# KiCad board qk80.kicad_pcb
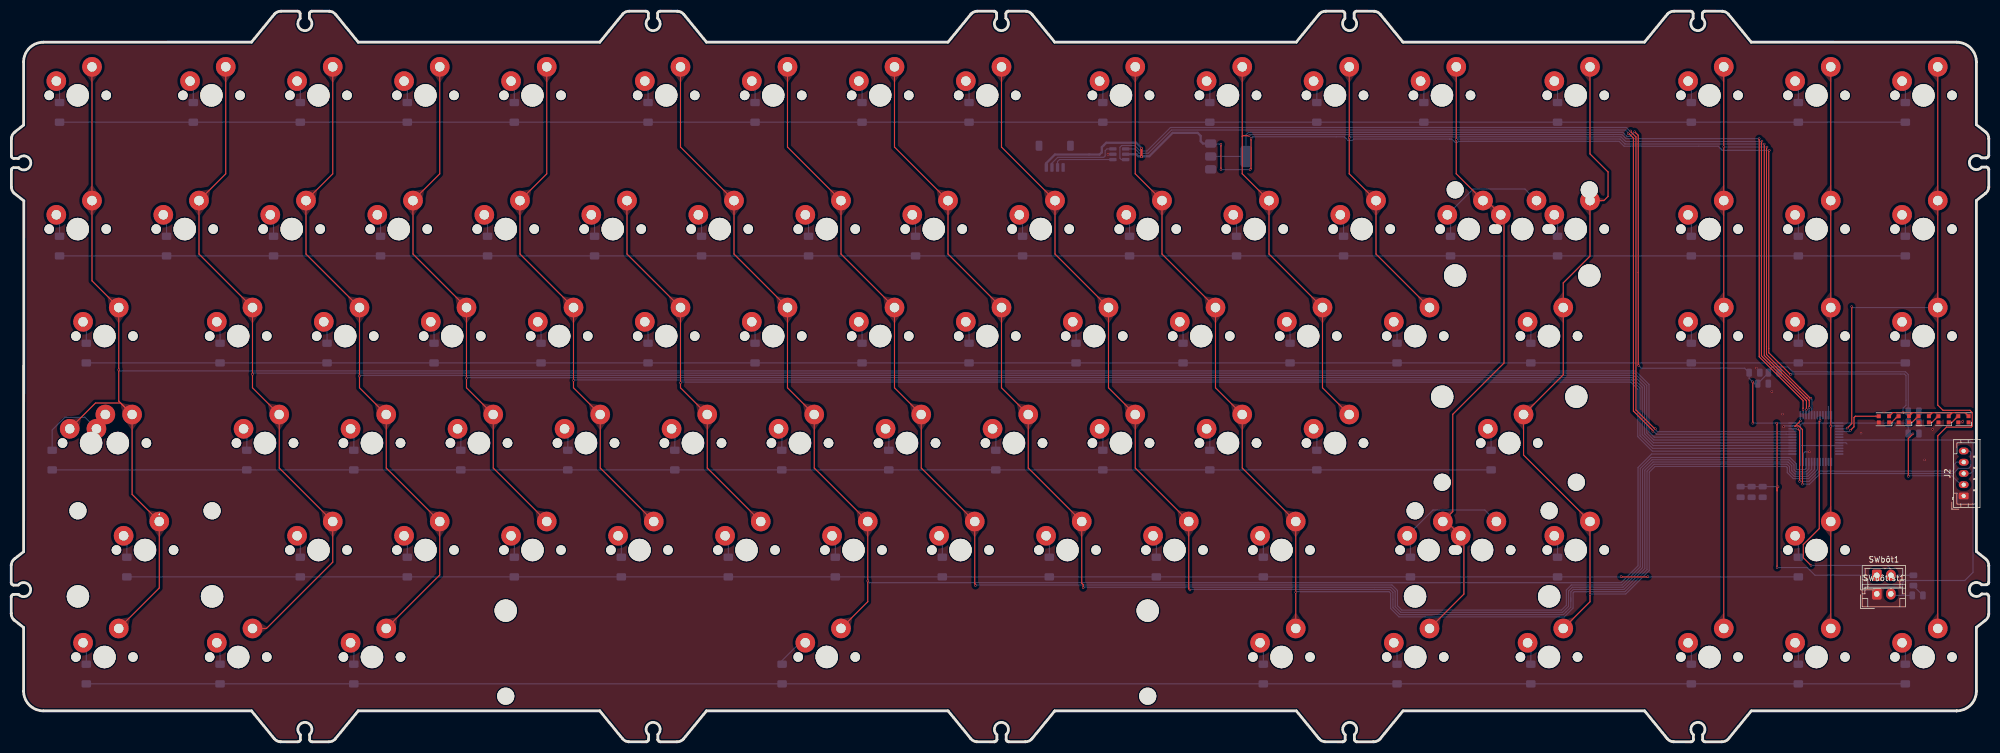
[diagram p0: board, top side]
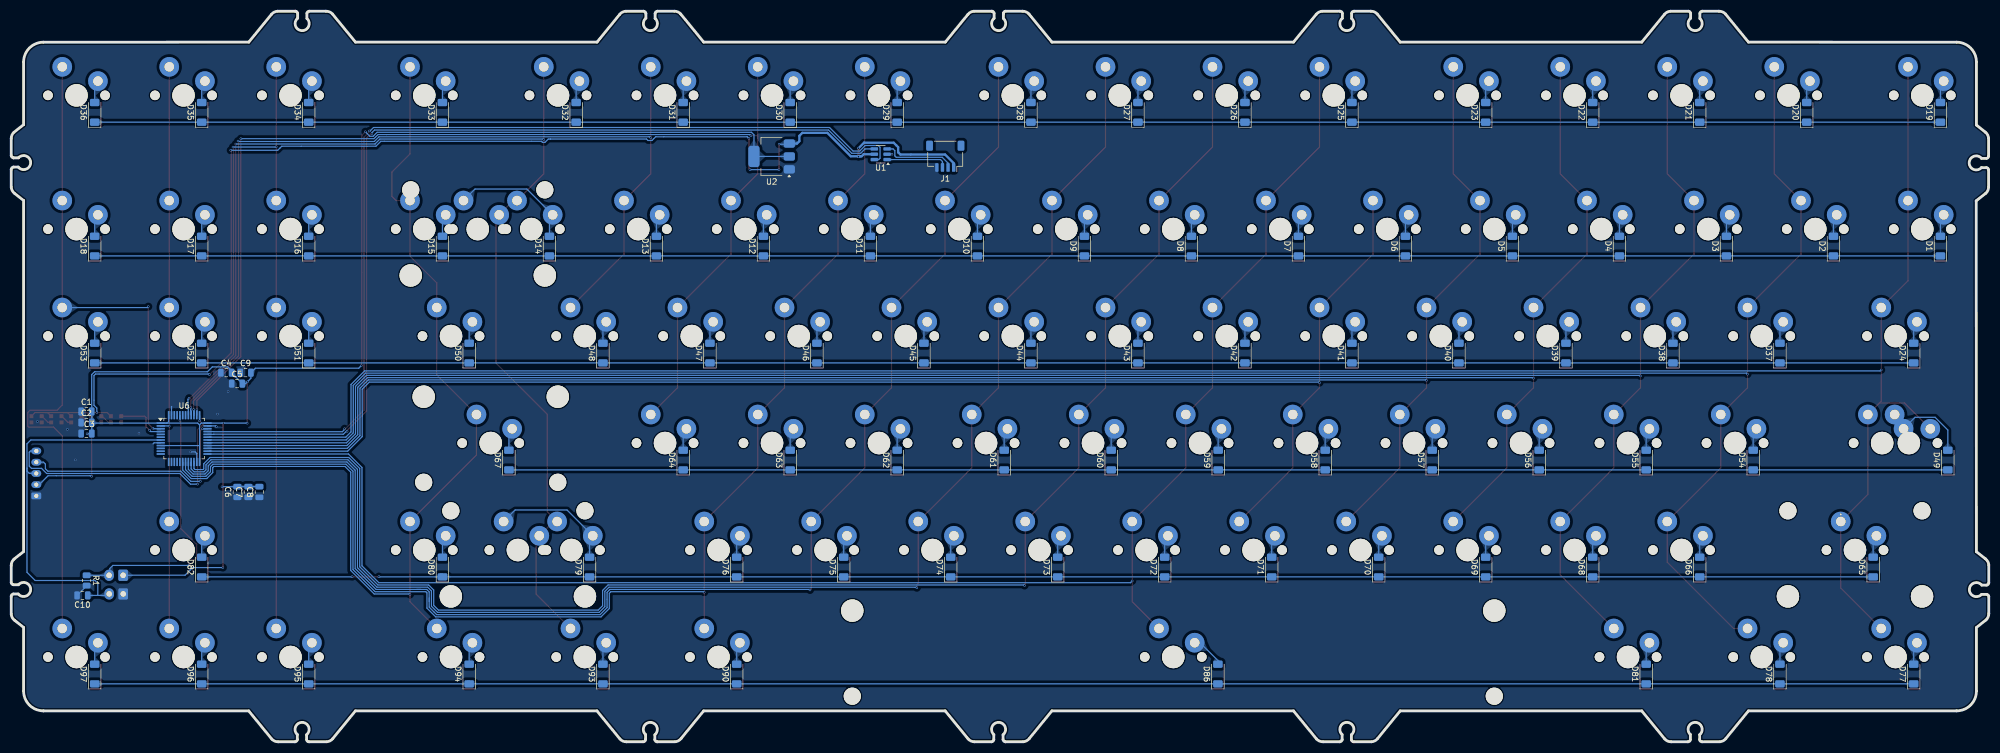
[diagram p1: board, bottom side, seen from below]

Outline 352.07 x 130.08 mm; copper layers: Top, Bottom. Coordinates in mm from the lower left corner of the outline.
Outline path: 0,28.3 0,31.47 arc(0.18,32.1) 0.62,32.59 2.2,33.84 2.24,96.33 0.53,97.68 arc(0.16,98.19) 0.03,98.81 0.03,101.83 arc(0.15,102.11) 0.43,102.23 1.32,102.23 arc(3.49,103.1) 1.28,103.88 0.43,103.88 arc(0.15,104) 0.03,104.28 0.03,107.45 arc(0.21,108.07) 0.62,108.56 2.2,109.83 2.2,121.04 arc(3.24,123.53) 5.73,124.57 42.78,124.58 46.88,129.59 arc(47.4,129.96) 48.02,130.08 51.03,130.08 arc(51.32,129.97) 51.43,129.68 51.43,128.8 arc(52.31,126.63) 53.08,128.84 53.08,129.68 arc(53.2,129.97) 53.49,130.08 56.66,130.08 arc(57.26,129.92) 57.75,129.51 61.78,124.58 104.78,124.58 108.88,129.59 arc(109.4,129.96) 110.02,130.08 113.03,130.08 arc(113.32,129.97) 113.43,129.68 113.43,128.8 arc(114.31,126.63) 115.08,128.84 115.08,129.68 arc(115.2,129.97) 115.49,130.08 118.66,130.08 arc(119.26,129.92) 119.75,129.51 123.78,124.58 166.78,124.58 170.88,129.59 arc(171.4,129.96) 172.02,130.08 175.03,130.08 arc(175.32,129.97) 175.43,129.68 175.43,128.8 arc(176.31,126.63) 177.08,128.84 177.08,129.68 arc(177.2,129.97) 177.48,130.08 180.66,130.08 arc(181.26,129.92) 181.75,129.52 185.78,124.58 228.78,124.58 232.88,129.59 arc(233.4,129.96) 234.02,130.08 237.03,130.08 arc(237.32,129.96) 237.43,129.68 237.43,128.8 arc(238.31,126.63) 239.08,128.84 239.08,129.68 arc(239.2,129.97) 239.49,130.08 242.66,130.08 arc(243.26,129.92) 243.75,129.51 247.78,124.58 290.78,124.58 294.88,129.59 arc(295.4,129.96) 296.02,130.08 299.03,130.08 arc(299.32,129.97) 299.43,129.68 299.43,128.8 arc(300.31,126.63) 301.08,128.84 301.08,129.68 arc(301.2,129.97) 301.48,130.08 304.66,130.08 arc(305.26,129.92) 305.75,129.51 309.78,124.58 346.34,124.57 arc(348.84,123.53) 349.87,121.02 349.87,109.88 351.58,108.53 arc(351.95,108.02) 352.07,107.39 352.07,104.38 arc(351.95,104.1) 351.67,103.98 350.79,103.98 arc(348.62,103.1) 350.82,102.33 351.67,102.33 arc(351.96,102.21) 352.07,101.92 352.07,98.75 arc(351.89,98.12) 351.46,97.63 349.87,96.38 349.87,33.87 351.58,32.52 arc(351.95,32) 352.07,31.38 352.07,28.37 arc(351.95,28.08) 351.67,27.97 350.79,27.97 arc(348.62,27.09) 350.83,26.32 351.67,26.32 arc(351.96,26.2) 352.07,25.91 352.07,22.74 arc(351.89,22.11) 351.46,21.62 349.87,20.37 349.87,9.03 arc(348.83,6.54) 346.34,5.5 309.79,5.5 305.69,0.49 arc(305.18,0.12) 304.55,0 301.54,0 arc(301.26,0.12) 301.14,0.4 301.14,1.28 arc(300.26,3.45) 299.49,1.25 299.49,0.4 arc(299.37,0.12) 299.09,0 295.91,0 arc(295.31,0.17) 294.83,0.57 290.79,5.5 247.79,5.5 243.69,0.49 arc(243.18,0.12) 242.55,0 239.54,0 arc(239.26,0.12) 239.14,0.4 239.14,1.28 arc(238.26,3.45) 237.49,1.25 237.49,0.4 arc(237.37,0.12) 237.09,0 233.91,0 arc(233.31,0.17) 232.82,0.57 228.79,5.5 185.79,5.5 181.69,0.49 arc(181.18,0.12) 180.55,0 177.54,0 arc(177.25,0.12) 177.14,0.41 177.14,1.28 arc(176.26,3.45) 175.49,1.25 175.49,0.4 arc(175.37,0.12) 175.09,0 171.91,0 arc(171.31,0.17) 170.82,0.57 166.79,5.5 123.78,5.5 119.68,0.49 arc(119.16,0.12) 118.54,0 115.53,0 arc(115.24,0.12) 115.13,0.4 115.13,1.28 arc(114.25,3.45) 113.48,1.25 113.48,0.4 arc(113.36,0.11) 113.07,0 109.9,0 arc(109.3,0.17) 108.81,0.57 104.78,5.5 61.78,5.5 57.68,0.49 arc(57.16,0.12) 56.54,0 53.53,0 arc(53.24,0.12) 53.13,0.41 53.13,1.28 arc(52.25,3.45) 51.48,1.25 51.48,0.4 arc(51.36,0.12) 51.07,0 47.9,0 arc(47.29,0.17) 46.81,0.57 42.78,5.5 5.73,5.5 arc(3.24,6.54) 2.2,9.03 2.2,20.34 0.49,21.69 arc(0.12,22.21) 0,22.83 0,25.85 arc(0.12,26.13) 0.4,26.25 1.28,26.25 arc(3.45,27.12) 1.25,27.9 0.4,27.9 arc(0.12,28.01) 0,28.3

## Placement (name value [footprint] x y rotation side)
C1  100nF  [C_0805_2012Metric]  338.69 58.82 180 bottom
C2  4.7uF  [C_0805_2012Metric]  338.69 56.85 180 bottom
C3  100nF  [C_0805_2012Metric]  338.68 54.88 180 bottom
C4  4.7uF  [C_0805_2012Metric]  313.79 65.72 180 bottom
C5  100nF  [C_0805_2012Metric]  311.87 63.77 180 bottom
C6  4.7uF  [C_0805_2012Metric]  311.82 44.48 90 bottom
C7  100nF  [C_0805_2012Metric]  309.85 44.48 90 bottom
C8  4.7uF  [C_0805_2012Metric]  307.89 44.48 90 bottom
C9  4.7uF  [C_0805_2012Metric]  310.36 65.72 180 bottom
C10  4.7uF  [C_0805_2012Metric]  339.4 26.06 0 bottom
D1  D_Small  [D_MiniMELF]  8.6 88.26 90 bottom
D2  D_Small  [D_MiniMELF]  27.65 88.26 90 bottom
D3  D_Small  [D_MiniMELF]  46.7 88.26 90 bottom
D4  D_Small  [D_MiniMELF]  65.75 88.26 90 bottom
D5  D_Small  [D_MiniMELF]  84.8 88.26 90 bottom
D6  D_Small  [D_MiniMELF]  103.85 88.26 90 bottom
D7  D_Small  [D_MiniMELF]  122.9 88.26 90 bottom
D8  D_Small  [D_MiniMELF]  141.95 88.26 90 bottom
D9  D_Small  [D_MiniMELF]  161 88.26 90 bottom
D10  D_Small  [D_MiniMELF]  180.05 88.26 90 bottom
D11  D_Small  [D_MiniMELF]  199.1 88.26 90 bottom
D12  D_Small  [D_MiniMELF]  218.15 88.26 90 bottom
D13  D_Small  [D_MiniMELF]  237.2 88.26 90 bottom
D14  D_Small  [D_MiniMELF]  256.25 88.26 90 bottom
D15  D_Small  [D_MiniMELF]  275.3 88.26 90 bottom
D16  D_Small  [D_MiniMELF]  299.11 88.26 90 bottom
D17  D_Small  [D_MiniMELF]  318.16 88.26 90 bottom
D18  D_Small  [D_MiniMELF]  337.21 88.26 90 bottom
D19  D_Small  [D_MiniMELF]  8.6 112.08 90 bottom
D20  D_Small  [D_MiniMELF]  32.41 112.08 90 bottom
D21  D_Small  [D_MiniMELF]  51.46 112.08 90 bottom
D22  D_Small  [D_MiniMELF]  70.51 112.08 90 bottom
D23  D_Small  [D_MiniMELF]  89.56 112.08 90 bottom
D24  D_Small  [D_MiniMELF]  13.36 69.21 90 bottom
D25  D_Small  [D_MiniMELF]  113.38 112.08 90 bottom
D26  D_Small  [D_MiniMELF]  132.43 112.08 90 bottom
D27  D_Small  [D_MiniMELF]  151.48 112.08 90 bottom
D28  D_Small  [D_MiniMELF]  170.53 112.08 90 bottom
D29  D_Small  [D_MiniMELF]  194.34 112.08 90 bottom
D30  D_Small  [D_MiniMELF]  213.39 112.08 90 bottom
D31  D_Small  [D_MiniMELF]  232.44 112.08 90 bottom
D32  D_Small  [D_MiniMELF]  251.49 112.08 90 bottom
D33  D_Small  [D_MiniMELF]  275.3 112.08 90 bottom
D34  D_Small  [D_MiniMELF]  299.11 112.08 90 bottom
D35  D_Small  [D_MiniMELF]  318.16 112.08 90 bottom
D36  D_Small  [D_MiniMELF]  337.21 112.08 90 bottom
D37  D_Small  [D_MiniMELF]  37.18 69.21 90 bottom
D38  D_Small  [D_MiniMELF]  56.23 69.21 90 bottom
D39  D_Small  [D_MiniMELF]  75.28 69.21 90 bottom
D40  D_Small  [D_MiniMELF]  94.33 69.21 90 bottom
D41  D_Small  [D_MiniMELF]  113.38 69.21 90 bottom
D42  D_Small  [D_MiniMELF]  132.43 69.21 90 bottom
D43  D_Small  [D_MiniMELF]  151.48 69.21 90 bottom
D44  D_Small  [D_MiniMELF]  170.53 69.21 90 bottom
D45  D_Small  [D_MiniMELF]  189.58 69.21 90 bottom
D46  D_Small  [D_MiniMELF]  208.63 69.21 90 bottom
D47  D_Small  [D_MiniMELF]  227.68 69.21 90 bottom
D48  D_Small  [D_MiniMELF]  246.73 69.21 90 bottom
D49  D_Small  [D_MiniMELF]  7.29 50.16 90 bottom
D50  D_Small  [D_MiniMELF]  270.54 69.21 90 bottom
D51  D_Small  [D_MiniMELF]  299.11 69.21 90 bottom
D52  D_Small  [D_MiniMELF]  318.16 69.21 90 bottom
D53  D_Small  [D_MiniMELF]  337.21 69.21 90 bottom
D54  D_Small  [D_MiniMELF]  41.94 50.16 90 bottom
D55  D_Small  [D_MiniMELF]  60.99 50.16 90 bottom
D56  D_Small  [D_MiniMELF]  80.04 50.16 90 bottom
D57  D_Small  [D_MiniMELF]  99.09 50.16 90 bottom
D58  D_Small  [D_MiniMELF]  118.14 50.16 90 bottom
D59  D_Small  [D_MiniMELF]  137.19 50.16 90 bottom
D60  D_Small  [D_MiniMELF]  156.24 50.16 90 bottom
D61  D_Small  [D_MiniMELF]  175.29 50.16 90 bottom
D62  D_Small  [D_MiniMELF]  194.34 50.16 90 bottom
D63  D_Small  [D_MiniMELF]  213.39 50.16 90 bottom
D64  D_Small  [D_MiniMELF]  232.44 50.16 90 bottom
D65  D_Small  [D_MiniMELF]  20.58 31.11 90 bottom
D66  D_Small  [D_MiniMELF]  51.46 31.11 90 bottom
D67  D_Small  [D_MiniMELF]  263.47 50.16 90 bottom
D68  D_Small  [D_MiniMELF]  70.51 31.11 90 bottom
D69  D_Small  [D_MiniMELF]  89.56 31.11 90 bottom
D70  D_Small  [D_MiniMELF]  108.61 31.11 90 bottom
D71  D_Small  [D_MiniMELF]  127.66 31.11 90 bottom
D72  D_Small  [D_MiniMELF]  146.71 31.11 90 bottom
D73  D_Small  [D_MiniMELF]  165.76 31.11 90 bottom
D74  D_Small  [D_MiniMELF]  184.81 31.11 90 bottom
D75  D_Small  [D_MiniMELF]  203.86 31.11 90 bottom
D76  D_Small  [D_MiniMELF]  222.91 31.11 90 bottom
D77  D_Small  [D_MiniMELF]  13.36 12.06 90 bottom
D78  D_Small  [D_MiniMELF]  37.18 12.06 90 bottom
D79  D_Small  [D_MiniMELF]  249.11 31.11 90 bottom
D80  D_Small  [D_MiniMELF]  275.3 31.11 90 bottom
D81  D_Small  [D_MiniMELF]  60.99 12.06 90 bottom
D82  D_Small  [D_MiniMELF]  318.16 31.11 90 bottom
D83  WS2812B-2020  [LED_WS2812B-2020_PLCC4_2.0x2.0mm]  333.41 57.41 180 top
D84  WS2812B-2020  [LED_WS2812B-2020_PLCC4_2.0x2.0mm]  336.95 57.42 180 top
D85  WS2812B-2020  [LED_WS2812B-2020_PLCC4_2.0x2.0mm]  340.49 57.42 180 top
D86  D_Small  [D_MiniMELF]  137.24 12.06 90 bottom
D87  WS2812B-2020  [LED_WS2812B-2020_PLCC4_2.0x2.0mm]  344.03 57.42 180 top
D88  WS2812B-2020  [LED_WS2812B-2020_PLCC4_2.0x2.0mm]  347.57 57.42 180 top
D90  D_Small  [D_MiniMELF]  222.91 12.06 90 bottom
D93  D_Small  [D_MiniMELF]  246.73 12.06 90 bottom
D94  D_Small  [D_MiniMELF]  270.54 12.06 90 bottom
D95  D_Small  [D_MiniMELF]  299.11 12.06 90 bottom
D96  D_Small  [D_MiniMELF]  318.16 12.06 90 bottom
D97  D_Small  [D_MiniMELF]  337.21 12.06 90 bottom
J1  Conn_01x04_Pin  [JST_SH_SM04B-SRSS-TB_1x04-1MP_P1.00mm_Horizontal]  185.78 104.26 0 bottom
J2  Conn_01x05_Socket  [JST_PH_B5B-PH-K_1x05_P2.00mm_Vertical]  347.61 43.78 90 top
R1  R_Small  [R_0805_2012Metric]  338.65 28.73 270 bottom
SW1  SW_Push  [MXOnly-1U_N]  11.84 91.29 0 top
SW2  SW_Push  [MXOnly-1U_N]  30.89 91.29 0 top
SW3  SW_Push  [MXOnly-1U_N]  49.94 91.29 0 top
SW4  SW_Push  [MXOnly-1U_N]  68.99 91.29 0 top
SW5  SW_Push  [MXOnly-1U_N]  88.04 91.29 0 top
SW6  SW_Push  [MXOnly-1U_N]  107.09 91.29 0 top
SW7  SW_Push  [MXOnly-1U_N]  126.14 91.29 0 top
SW8  SW_Push  [MXOnly-1U_N]  145.19 91.29 0 top
SW9  SW_Push  [MXOnly-1U_N]  164.24 91.29 0 top
SW10  SW_Push  [MXOnly-1U_N]  183.29 91.29 0 top
SW11  SW_Push  [MXOnly-1U_N]  202.34 91.29 0 top
SW12  SW_Push  [MXOnly-1U_N]  221.39 91.29 0 top
SW13  SW_Push  [MXOnly-1U_N]  240.44 91.29 0 top
SW14  SW_Push  [MXOnly-1U_N]  259.49 91.29 0 top
SW15  SW_Push  [MXOnly-1U_N]  278.54 91.29 0 top
SW16  SW_Push  [MXOnly-1U_N]  302.35 91.29 0 top
SW17  SW_Push  [MXOnly-1U_N]  321.4 91.29 0 top
SW18  SW_Push  [MXOnly-1U_N]  340.45 91.29 0 top
SW19  SW_Push  [MXOnly-1U_N]  11.84 115.1 0 top
SW20  SW_Push  [MXOnly-1U_N]  35.65 115.1 0 top
SW21  SW_Push  [MXOnly-1U_N]  54.7 115.1 0 top
SW22  SW_Push  [MXOnly-1U_N]  73.75 115.1 0 top
SW23  SW_Push  [MXOnly-1U_N]  92.8 115.1 0 top
SW24  SW_Push  [MXOnly-1.5U_N]  16.6 72.24 0 top
SW25  SW_Push  [MXOnly-1U_N]  116.61 115.1 0 top
SW26  SW_Push  [MXOnly-1U_N]  135.66 115.1 0 top
SW27  SW_Push  [MXOnly-1U_N]  154.71 115.1 0 top
SW28  SW_Push  [MXOnly-1U_N]  173.76 115.1 0 top
SW29  SW_Push  [MXOnly-1U_N]  197.57 115.1 0 top
SW30  SW_Push  [MXOnly-1U_N]  216.62 115.1 0 top
SW31  SW_Push  [MXOnly-1U_N]  235.67 115.1 0 top
SW32  SW_Push  [MXOnly-1U_N]  254.72 115.1 0 top
SW33  SW_Push  [MXOnly-1U_N]  278.54 115.1 0 top
SW34  SW_Push  [MXOnly-1U_N]  302.35 115.1 0 top
SW35  SW_Push  [MXOnly-1U_N]  321.4 115.1 0 top
SW36  SW_Push  [MXOnly-1U_N]  340.45 115.1 0 top
SW37  SW_Push  [MXOnly-1U_N]  40.41 72.24 0 top
SW38  SW_Push  [MXOnly-1U_N]  59.46 72.24 0 top
SW39  SW_Push  [MXOnly-1U_N]  78.51 72.24 0 top
SW40  SW_Push  [MXOnly-1U_N]  97.56 72.24 0 top
SW41  SW_Push  [MXOnly-1U_N]  116.61 72.24 0 top
SW42  SW_Push  [MXOnly-1U_N]  135.66 72.24 0 top
SW43  SW_Push  [MXOnly-1U_N]  154.71 72.24 0 top
SW44  SW_Push  [MXOnly-1U_N]  173.76 72.24 0 top
SW45  SW_Push  [MXOnly-1U_N]  192.81 72.24 0 top
SW46  SW_Push  [MXOnly-1U_N]  211.86 72.24 0 top
SW47  SW_Push  [MXOnly-1U_N]  230.91 72.24 0 top
SW48  SW_Push  [MXOnly-1U_N]  249.96 72.24 0 top
SW49  SW_Push  [MXOnly-1.75U_N]  18.98 53.19 0 top
SW50  SW_Push  [MXOnly-1.5U_N]  273.77 72.24 0 top
SW51  SW_Push  [MXOnly-1U_N]  302.35 72.24 0 top
SW52  SW_Push  [MXOnly-1U_N]  321.4 72.24 0 top
SW53  SW_Push  [MXOnly-1U_N]  340.45 72.24 0 top
SW54  SW_Push  [MXOnly-1U_N]  45.17 53.19 0 top
SW55  SW_Push  [MXOnly-1U_N]  64.22 53.19 0 top
SW56  SW_Push  [MXOnly-1U_N]  83.27 53.19 0 top
SW57  SW_Push  [MXOnly-1U_N]  102.32 53.19 0 top
SW58  SW_Push  [MXOnly-1U_N]  121.37 53.19 0 top
SW59  SW_Push  [MXOnly-1U_N]  140.42 53.19 0 top
SW60  SW_Push  [MXOnly-1U_N]  159.47 53.19 0 top
SW61  SW_Push  [MXOnly-1U_N]  178.52 53.19 0 top
SW62  SW_Push  [MXOnly-1U_N]  197.57 53.19 0 top
SW63  SW_Push  [MXOnly-1U_N]  216.62 53.19 0 top
SW64  SW_Push  [MXOnly-1U_N]  235.67 53.19 0 top
SW65  SW_Push  [MXOnly-2.25U_N]  23.82 34.14 0 top
SW66  SW_Push  [MXOnly-1U_N]  54.7 34.14 0 top
SW67  SW_Push  [MXOnly-2.25U-ReversedStabilizers_N]  266.7 53.19 0 top
SW68  SW_Push  [MXOnly-1U_N]  73.75 34.14 0 top
SW69  SW_Push  [MXOnly-1U_N]  92.8 34.14 0 top
SW70  SW_Push  [MXOnly-1U_N]  111.85 34.14 0 top
SW71  SW_Push  [MXOnly-1U_N]  130.9 34.14 0 top
SW72  SW_Push  [MXOnly-1U_N]  149.95 34.14 0 top
SW73  SW_Push  [MXOnly-1U_N]  169 34.14 0 top
SW74  SW_Push  [MXOnly-1U_N]  188.05 34.14 0 top
SW75  SW_Push  [MXOnly-1U_N]  207.1 34.14 0 top
SW76  SW_Push  [MXOnly-1U_N]  226.15 34.14 0 top
SW77  SW_Push  [MXOnly-1.5U_N]  16.6 15.09 0 top
SW78  SW_Push  [MXOnly-1U_N]  40.41 15.09 0 top
SW79  SW_Push  [MXOnly-1U_N]  252.34 34.14 0 top
SW80  SW_Push  [MXOnly-1U_N]  278.54 34.14 0 top
SW81  SW_Push  [MXOnly-1.5U_N]  64.22 15.09 0 top
SW82  SW_Push  [MXOnly-1U_N]  321.4 34.14 0 top
SW86  SW_Push  [MXOnly-7U-ReversedStabilizers_N]  145.19 15.1 0 top
SW90  SW_Push  [MXOnly-1.5U_N]  226.15 15.09 0 top
SW93  SW_Push  [MXOnly-1U_N]  249.96 15.09 0 top
SW94  SW_Push  [MXOnly-1.5U_N]  273.77 15.09 0 top
SW95  SW_Push  [MXOnly-1U_N]  302.35 15.09 0 top
SW96  SW_Push  [MXOnly-1U_N]  321.4 15.09 0 top
SW97  SW_Push  [MXOnly-1U_N]  340.45 15.09 0 top
SW1000  SW_Push  [MXOnly-2.75U_N]  261.87 34.14 0 top
SW1001  SW_Push  [MXOnly-2U_N]  269.01 91.29 0 top
SW1002  SW_Push  [MXOnly-1.25U_N]  14.22 53.19 0 top
SWbôt1  SW_Push  [JST_EH_B2B-EH-A_1x02_P2.50mm_Vertical]  332.15 29.65 0 top
SWbôtrst1  SW_Push  [JST_EH_B2B-EH-A_1x02_P2.50mm_Vertical]  332.14 26.33 0 top
U1  USBLC6-2SC6  [SOT-23-6]  197.27 104.62 0 bottom
U2  AMS1117  [SOT-223-3_TabPin2]  216.69 104.22 0 bottom
U6  STM32F072-LQFP48  [LQFP-48_7x7mm_P0.5mm]  321.29 53.99 180 bottom

## Library data of the parts
C1-C10 = -: Description: Unpolarized capacitor, small symbol; ki_fp_filters: C_*
D1-D82 D86 D90 D93-D97 = -: Description: Diode, small symbol; Sim.Device: D; Sim.Pins: 1=K 2=A; ki_fp_filters: TO-???* *_Diode_* *SingleDiode* D_*
D83-D85 D87 D88 = -: Datasheet: https://cdn-shop.adafruit.com/product-files/4684/4684_WS2812B-2020_V1.3_EN.pdf; Description: RGB LED with integrated controller, 2.0 x 2.0 mm, 12 mA; ki_fp_filters: LED*WS2812*-2020_PLCC4*
J1 = -: Description: Generic connector, single row, 01x04, script generated; ki_fp_filters: Connector*:*_1x??_*
J2 = -: Description: Generic connector, single row, 01x05, script generated; ki_fp_filters: Connector*:*_1x??_*
R1 = -: Description: Resistor, small symbol; ki_fp_filters: R_*
SW1-SW82 SW86 SW90 SW93-SW97 SW1000-SW1002 SWbôt1 SWbôtrst1 = -: Description: Push button switch, generic, two pins
U1 = -: Datasheet: https://www.st.com/resource/en/datasheet/usblc6-2.pdf; Description: Very low capacitance ESD protection diode, 2 data-line, SOT-23-6; ki_fp_filters: SOT?23*
U2 = -: Datasheet: http://www.advanced-monolithic.com/pdf/ds1117.pdf; Description: 1A Low Dropout regulator, positive, adjustable output, SOT-223; ki_fp_filters: SOT?223*TabPin2*

## Footprints (pads in the part's own frame, mm; a bottom-side part is the same pattern mirrored in y, then rotated)
C_0805_2012Metric
  rrect 1x1.45 smd: 1(-0.95,0) 2(0.95,0)
D_MiniMELF
  rrect 1.3x1.7 smd: 1(-1.75,0) 2(1.75,0)
JST_EH_B2B-EH-A_1x02_P2.50mm_Vertical
  rrect 1.7x2 hole 1: 1(0,0)
  oval 1.7x2 hole 1: 2(2.5,0)
JST_PH_B5B-PH-K_1x05_P2.00mm_Vertical
  rrect 1.2x1.75 hole 0.75: 1(0,0)
  oval 1.2x1.75 hole 0.75: 2(2,0) 3(4,0) 4(6,0) 5(8,0)
JST_SH_SM04B-SRSS-TB_1x04-1MP_P1.00mm_Horizontal
  rrect 0.6x1.55 smd: 1(-1.5,2) 2(-0.5,2) 3(0.5,2) 4(1.5,2)
  rrect 1.2x1.8 smd: MP(-2.8,-1.875) MP(2.8,-1.875)
LED_WS2812B-2020_PLCC4_2.0x2.0mm
  rect 0.7x0.7 smd: 1(-0.915,0.55) 2(-0.915,-0.55) 3(0.915,-0.55) 4(0.915,0.55)
LQFP-48_7x7mm_P0.5mm
  rrect 1.475x0.3 smd: 1(-4.162,2.75) 2(-4.162,2.25) 3(-4.162,1.75) 4(-4.162,1.25) 5(-4.162,0.75) 6(-4.162,0.25) 7(-4.162,-0.25) 8(-4.162,-0.75) 9(-4.162,-1.25) 10(-4.162,-1.75) 11(-4.162,-2.25) 12(-4.162,-2.75) 25(4.162,-2.75) 26(4.162,-2.25) 27(4.162,-1.75) 28(4.162,-1.25) 29(4.162,-0.75) 30(4.162,-0.25) 31(4.162,0.25) 32(4.162,0.75) 33(4.162,1.25) 34(4.162,1.75) 35(4.162,2.25) 36(4.162,2.75)
  rrect 0.3x1.475 smd: 13(-2.75,-4.162) 14(-2.25,-4.162) 15(-1.75,-4.162) 16(-1.25,-4.162) 17(-0.75,-4.162) 18(-0.25,-4.162) 19(0.25,-4.162) 20(0.75,-4.162) 21(1.25,-4.162) 22(1.75,-4.162) 23(2.25,-4.162) 24(2.75,-4.162) 37(2.75,4.162) 38(2.25,4.162) 39(1.75,4.162) 40(1.25,4.162) 41(0.75,4.162) 42(0.25,4.162) 43(-0.25,4.162) 44(-0.75,4.162) 45(-1.25,4.162) 46(-1.75,4.162) 47(-2.25,4.162) 48(-2.75,4.162)
MXOnly-1.5U_N
  round 1.7 hole 1.7 unplated: (-5.08,0) (5.08,0)
  round 2.5 smd: (-3.81,2.55) (2.54,5.08)
  round 4 hole 4 unplated: (0,0)
  round 3.5 hole 1.7: 1(-3.81,2.54) 2(2.54,5.08)
MXOnly-1.25U_N
  round 1.7 hole 1.7 unplated: (-5.08,0) (5.08,0)
  round 2.5 smd: (-3.81,2.55) (2.54,5.08)
  round 4 hole 4 unplated: (0,0)
  round 3.5 hole 1.7: 1(-3.81,2.54) 2(2.54,5.08)
MXOnly-1.75U_N
  round 1.7 hole 1.7 unplated: (-5.08,0) (5.08,0)
  round 2.5 smd: (-3.81,2.55) (2.54,5.08)
  round 4 hole 4 unplated: (0,0)
  round 3.5 hole 1.7: 1(-3.81,2.54) 2(2.54,5.08)
MXOnly-1U_N
  round 1.7 hole 1.7 unplated: (-5.08,0) (5.08,0)
  round 2.5 smd: (-3.81,2.55) (2.54,5.08)
  round 4 hole 4 unplated: (0,0)
  round 3.5 hole 1.7: 1(-3.81,2.54) 2(2.54,5.08)
MXOnly-2.25U-ReversedStabilizers_N
  round 3.988 hole 3.988 unplated: (-11.938,8.255) (11.938,8.255)
  round 3.048 hole 3.048 unplated: (-11.938,-6.985) (11.938,-6.985)
  round 1.7 hole 1.7 unplated: (-5.08,0) (5.08,0)
  round 2.5 smd: (-3.81,2.55) (2.54,5.08)
  round 4 hole 4 unplated: (0,0)
  round 3.5 hole 1.7: 1(-3.81,2.54) 2(2.54,5.08)
MXOnly-2.25U_N
  round 3.048 hole 3.048 unplated: (-11.938,6.985) (11.938,6.985)
  round 3.988 hole 3.988 unplated: (-11.938,-8.255) (11.938,-8.255)
  round 1.7 hole 1.7 unplated: (-5.08,0) (5.08,0)
  round 2.5 smd: (-3.81,2.55) (2.54,5.08)
  round 4 hole 4 unplated: (0,0)
  round 3.5 hole 1.7: 1(-3.81,2.54) 2(2.54,5.08)
  round 0.4 hole 0.3: 2(2.54,6.34)
MXOnly-2.75U_N
  round 3.048 hole 3.048 unplated: (-11.938,6.985) (11.938,6.985)
  round 3.988 hole 3.988 unplated: (-11.938,-8.255) (11.938,-8.255)
  round 1.7 hole 1.7 unplated: (-5.08,0) (5.08,0)
  round 2.5 smd: (-3.81,2.55) (2.54,5.08)
  round 4 hole 4 unplated: (0,0)
  round 3.5 hole 1.7: 1(-3.81,2.54) 2(2.54,5.08)
MXOnly-2U_N
  round 3.048 hole 3.048 unplated: (-11.938,6.985) (11.938,6.985)
  round 3.988 hole 3.988 unplated: (-11.938,-8.255) (11.938,-8.255)
  round 1.7 hole 1.7 unplated: (-5.08,0) (5.08,0)
  round 2.5 smd: (-3.81,2.55) (2.54,5.08)
  round 4 hole 4 unplated: (0,0)
  round 3.5 hole 1.7: 1(-3.81,2.54) 2(2.54,5.08)
MXOnly-7U-ReversedStabilizers_N
  round 3.988 hole 3.988 unplated: (-57.15,8.255) (57.15,8.255)
  round 3.048 hole 3.048 unplated: (-57.15,-6.985) (57.15,-6.985)
  round 1.7 hole 1.7 unplated: (-5.08,0) (5.08,0)
  round 2.5 smd: (-3.81,2.55) (2.54,5.08)
  round 4 hole 4 unplated: (0,0)
  round 3.5 hole 1.7: 1(-3.81,2.54) 2(2.54,5.08)
R_0805_2012Metric
  rrect 1.025x1.4 smd: 1(-0.912,0) 2(0.912,0)
SOT-23-6
  rrect 1.325x0.6 smd: 1(-1.137,0.95) 2(-1.137,0) 3(-1.137,-0.95) 4(1.137,-0.95) 5(1.137,0) 6(1.137,0.95)
SOT-223-3_TabPin2
  rrect 2x1.5 smd: 1(-3.15,2.3) 2(-3.15,0) 3(-3.15,-2.3)
  rrect 2x3.8 smd: 2(3.15,0)

## Nets
+3.3V: C1.2 C2.2 C3.2 C4.2 C5.2 C6.2 C7.2 C8.2 C9.2 J2.2 SWbôt1.1 U2.2 U6.1 U6.9 U6.24 U6.36 U6.48
+5V: D83.2 D84.2 D85.2 D87.2 D88.2 J1.1 U1.5 U2.3
GND: C1.1 C2.1 C3.1 C4.1 C5.1 C6.1 C7.1 C8.1 C9.1 C10.2 D83.4 D84.4 D85.4 D87.4 D88.4 J1.4 J2.1 R1.2 SWbôtrst1.1 U1.2 U2.1 U6.8 U6.23 U6.35 U6.47
boot: R1.1 SWbôt1.2 U6.44
C0: SW1.2 SW19.2 SW24.2 SW49.2 SW65.2 SW77.2 SW1002.1 U6.31
C1: SW2.2 SW20.2 SW37.2 SW54.2 SW66.2 SW78.2 U6.30
C2: SW3.2 SW21.2 SW38.2 SW55.2 SW68.2 SW81.2 U6.29
C3: SW4.2 SW22.2 SW39.2 SW56.2 SW69.2 U6.28
C4: SW5.2 SW23.2 SW40.2 SW57.2 SW70.2 U6.27
C5: SW6.2 SW41.2 SW58.2 SW71.2 U6.26
C6: SW7.2 SW25.2 SW42.2 SW59.2 SW72.2 SW86.2 U6.25
C7: SW8.2 SW26.2 SW43.2 SW60.2 SW73.2 U6.22
C8: SW9.2 SW27.2 SW44.2 SW61.2 SW74.2 U6.21
C9: SW10.2 SW28.2 SW45.2 SW62.2 SW75.2 U6.20
C10: SW11.2 SW29.2 SW46.2 SW63.2 SW76.2 SW90.2 U6.19
C11: SW12.2 SW30.2 SW47.2 SW64.2 U6.38
C12: SW13.2 SW31.2 SW48.2 U6.39
C13: SW14.2 SW32.2 SW79.2 SW93.2 SW1000.1 SW1001.1 U6.40
C14: SW15.2 SW33.2 SW50.2 SW67.2 SW80.2 SW94.2 U6.18
C15: SW16.2 SW34.2 SW51.2 SW95.2 U6.41
C16: SW17.2 SW35.2 SW52.2 SW82.2 SW96.2 U6.2
C17: SW18.2 SW36.2 SW53.2 SW97.2 U6.3
CLK: J2.5 U6.37
D+: U1.6 U6.33
D-: U1.4 U6.32
DIO: J2.4 U6.34
RGB: D83.3 U6.4
RST: C10.1 J2.3 SWbôtrst1.2 U6.7
Net-(D1-A): D1.2 SW1.1
Net-(D1-K): D1.1 D2.1 D3.1 D4.1 D5.1 D6.1 D7.1 D8.1 D9.1 D10.1 D11.1 D12.1 D13.1 D14.1 D15.1 D16.1 D17.1 D18.1
Net-(D2-A): D2.2 SW2.1
Net-(D3-A): D3.2 SW3.1
Net-(D4-A): D4.2 SW4.1
Net-(D5-A): D5.2 SW5.1
Net-(D6-A): D6.2 SW6.1
Net-(D7-A): D7.2 SW7.1
Net-(D8-A): D8.2 SW8.1
Net-(D9-A): D9.2 SW9.1
Net-(D10-A): D10.2 SW10.1
Net-(D11-A): D11.2 SW11.1
Net-(D12-A): D12.2 SW12.1
Net-(D13-A): D13.2 SW13.1
Net-(D14-A): D14.2 SW14.1 SW1001.2
Net-(D15-A): D15.2 SW15.1
Net-(D16-A): D16.2 SW16.1
Net-(D17-A): D17.2 SW17.1
Net-(D18-A): D18.2 SW18.1
Net-(D19-A): D19.2 SW19.1
Net-(D19-K): D19.1 D20.1 D21.1 D22.1 D23.1 D25.1 D26.1 D27.1 D28.1 D29.1 D30.1 D31.1 D32.1 D33.1 D34.1 D35.1 D36.1
Net-(D20-A): D20.2 SW20.1
Net-(D21-A): D21.2 SW21.1
Net-(D22-A): D22.2 SW22.1
Net-(D23-A): D23.2 SW23.1
Net-(D24-A): D24.2 SW24.1
Net-(D24-K): D24.1 D37.1 D38.1 D39.1 D40.1 D41.1 D42.1 D43.1 D44.1 D45.1 D46.1 D47.1 D48.1 D50.1 D51.1 D52.1 D53.1
Net-(D25-A): D25.2 SW25.1
Net-(D26-A): D26.2 SW26.1
Net-(D27-A): D27.2 SW27.1
Net-(D28-A): D28.2 SW28.1
Net-(D29-A): D29.2 SW29.1
Net-(D30-A): D30.2 SW30.1
Net-(D31-A): D31.2 SW31.1
Net-(D32-A): D32.2 SW32.1
Net-(D33-A): D33.2 SW33.1
Net-(D34-A): D34.2 SW34.1
Net-(D35-A): D35.2 SW35.1
Net-(D36-A): D36.2 SW36.1
Net-(D37-A): D37.2 SW37.1
Net-(D38-A): D38.2 SW38.1
Net-(D39-A): D39.2 SW39.1
Net-(D40-A): D40.2 SW40.1
Net-(D41-A): D41.2 SW41.1
Net-(D42-A): D42.2 SW42.1
Net-(D43-A): D43.2 SW43.1
Net-(D44-A): D44.2 SW44.1
Net-(D45-A): D45.2 SW45.1
Net-(D46-A): D46.2 SW46.1
Net-(D47-A): D47.2 SW47.1
Net-(D48-A): D48.2 SW48.1
Net-(D49-A): D49.2 SW49.1 SW1002.2
Net-(D49-K): D49.1 D54.1 D55.1 D56.1 D57.1 D58.1 D59.1 D60.1 D61.1 D62.1 D63.1 D64.1 D67.1
Net-(D50-A): D50.2 SW50.1
Net-(D51-A): D51.2 SW51.1
Net-(D52-A): D52.2 SW52.1
Net-(D53-A): D53.2 SW53.1
Net-(D54-A): D54.2 SW54.1
Net-(D55-A): D55.2 SW55.1
Net-(D56-A): D56.2 SW56.1
Net-(D57-A): D57.2 SW57.1
Net-(D58-A): D58.2 SW58.1
Net-(D59-A): D59.2 SW59.1
Net-(D60-A): D60.2 SW60.1
Net-(D61-A): D61.2 SW61.1
Net-(D62-A): D62.2 SW62.1
Net-(D63-A): D63.2 SW63.1
Net-(D64-A): D64.2 SW64.1
Net-(D65-A): D65.2 SW65.1
Net-(D65-K): D65.1 D66.1 D68.1 D69.1 D70.1 D71.1 D72.1 D73.1 D74.1 D75.1 D76.1 D79.1 D80.1 D82.1
Net-(D66-A): D66.2 SW66.1
Net-(D67-A): D67.2 SW67.1
Net-(D68-A): D68.2 SW68.1
Net-(D69-A): D69.2 SW69.1
Net-(D70-A): D70.2 SW70.1
Net-(D71-A): D71.2 SW71.1
Net-(D72-A): D72.2 SW72.1
Net-(D73-A): D73.2 SW73.1
Net-(D74-A): D74.2 SW74.1
Net-(D75-A): D75.2 SW75.1
Net-(D76-A): D76.2 SW76.1
Net-(D77-A): D77.2 SW77.1
Net-(D77-K): D77.1 D78.1 D81.1 D86.1 D90.1 D93.1 D94.1 D95.1 D96.1 D97.1
Net-(D78-A): D78.2 SW78.1
Net-(D79-A): D79.2 SW79.1 SW1000.2
Net-(D80-A): D80.2 SW80.1
Net-(D81-A): D81.2 SW81.1
Net-(D82-A): D82.2 SW82.1
Net-(D83-DOUT): D83.1 D84.3
Net-(D84-DOUT): D84.1 D85.3
Net-(D85-DOUT): D85.1 D87.3
Net-(D86-A): D86.2 SW86.1
Net-(D87-DOUT): D87.1 D88.3
Net-(D90-A): D90.2 SW90.1
Net-(D93-A): D93.2 SW93.1
Net-(D94-A): D94.2 SW94.1
Net-(D95-A): D95.2 SW95.1
Net-(D96-A): D96.2 SW96.1
Net-(D97-A): D97.2 SW97.1
Net-(J1-Pin_2): J1.2 U1.3
Net-(J1-Pin_3): J1.3 U1.1

Pads without a net: D88 1; J1 MP; U6 5 6 10 11 12 13 14 15 16 17 42 43 45 46

## Via types
v1: diameter 0.4, hole 0.3, Top to Bottom, 68 vias

## Routing (per net, layer and track width the routed paths; a pad name or vN(x,y) marks a point on that pad's centre or on a via; arc(x,y) is an arc through that point)
+3.3V: length 306.2
  Top w0.2: v1(310.02,64.1) 310.06,64.06 v1(310.06,56.72) ; v1(314.38,31.02) 314.38,44.73 ; 314.38,44.73 314.38,56.67 v1(314.31,56.74) ; 314.38,44.73 314.38,45.22 v1(314.56,45.4) ; v1(289.75,66.96) 289.65,67.06 289.65,108 v1(289.03,108.62) ; v1(337.75,47.27) 337.75,54.01 v1(338.58,54.84)
  Bottom w0.2: J2.2 347.1,45.78 345.51,47.37 337.85,47.37 v1(337.75,47.27) ; C8.2 C7.2 C6.2 314.53,45.43 v1(314.56,45.4) ; v1(338.58,54.84) 337.77,54.84 C3.2 337.74,54.89 C2.2 ; v1(289.03,108.62) 288.22,107.81 287.64,107.81 286.93,108.53 220.28,108.53 219.84,108.08 U2.2 U2.2 ; v1(289.75,66.96) 290.2,66.51 308.62,66.51 C9.2 309.41,64.71 v1(310.02,64.1) 310.35,63.77 C5.2 312.84,65.69 C4.2 312.84,66.06 313.53,66.75 316.27,66.75 317.14,65.88 337.24,65.88 337.74,65.38 C1.2 C2.2 ; U6.48 324.04,57.01 324.29,56.76 324.4,56.76 324.42,56.74 324.65,56.74 ; C2.2 337.63,56.74 U6.1 324.65,56.74 ; 324.65,56.74 318.88,56.74 318.54,56.4 ; 318.54,52.7 U6.24 ; 318.54,52.7 318.54,56.4 ; 318.54,52.7 318.58,52.74 U6.9 ; 318.54,56.4 318.54,56.44 318.24,56.74 U6.36 v1(314.31,56.74) 310.08,56.74 v1(310.06,56.72) ; SWbôt1.1 321.13,29.65 319.76,31.02 v1(314.38,31.02)
+5V: length 240.9
  Top w0.2: 339.82,58.62 337.03,58.62 ; 339.82,58.62 338.51,58.62 D84.2 ; 339.82,58.62 342.88,58.62 ; 337.03,58.62 336.86,58.62 v1(336.84,58.65) ; 337.03,58.62 334.98,58.62 334.33,57.96 ; v1(220.73,107.43) 220.73,102.04 v1(220.57,101.88) ; D85.2 342.06,58.62 342.88,58.62 ; v1(313,105.32) 312.9,105.22 312.9,69.27 v1(316.79,65.38) ; 342.88,58.62 346.11,58.62 ; v1(215.37,101.9) v1(215.37,106.4) ; 346.11,58.62 347.83,58.62 D88.2 ; 346.11,58.62 345.6,58.62 D87.2
  Top w0.4: v1(201.22,105.69) 201.22,104.17 v1(201.23,104.16)
  Bottom w0.2: v1(336.84,58.65) 336.84,59.43 337.34,59.93 337.34,65.22 337.07,65.48 316.89,65.48 v1(316.79,65.38) ; v1(220.73,107.43) 221.03,107.73 237.34,107.73 238.01,107.06 238.71,107.06 238.97,107.33 256.11,107.33 256.07,107.33 256.46,107.33 257.06,106.73 257.47,106.73 257.67,106.93 286.26,106.93 287.15,106.04 303.91,106.04 304.63,105.32 v1(313,105.32) ; v1(215.37,106.4) 213.66,106.4 U2.3 ; v1(220.57,101.88) 215.39,101.88 v1(215.37,101.9)
  Bottom w0.4: v1(201.22,105.69) 200.24,106.67 194.96,106.67 194.17,105.88 194.17,104.97 193.77,104.57 185.81,104.57 184.28,103.04 J1.1 ; v1(201.23,104.16) 201.13,104.26 200.87,104.26 ; 200.87,104.26 200.66,104.26 200.31,104.62 U1.5 ; 200.87,104.26 202.61,104.26 206.77,108.43 211.23,108.43 211.76,107.89 211.76,106.94 212.18,106.52 U2.3
GND: length 10.7
  Bottom w0.2: U6.35 315.67,56.24 v1(315.53,56.1) ; v1(195.26,104.61) 195.27,104.62 U1.2 ; U6.47 323.54,59.67 323.5,59.71 ; v1(320.12,51.62) 319.33,51.62 319.04,51.33 U6.23 ; C10.2 338.65,27.76 338.65,27.82 ; U6.8 326.63,53.24 326.83,53.04
  vias: v1(310.68,66.54) v1(313.46,62.35) v1(315.35,58.35) v1(329.33,54.95) v1(340.67,50.19) v1(342.08,55.63) v1(347.41,57.02)
boot: length 48.1
  Top w0.2: v1(320.42,31.4) 319.05,32.77 319.05,35.11 321.89,37.95 321.89,57.09 v1(322.04,57.24)
  Bottom w0.2: v1(320.42,31.4) 333.97,31.4 334.52,30.85 334.52,29.78 SWbôt1.2 334.66,29.64 R1.1 ; U6.44 v1(322.04,57.24)
C0: length 429.7
  Top w0.2: SW49.2 21.52,44.06 SW65.2 26.36,27.39 SW77.2 ; SW49.2 19.14,60.65 v1(19.14,66.22) SW24.2 14.38,82.08 SW1.2 SW19.2 ; SW49.2 19.47,60.32 15,60.32 SW1002.1
  Bottom w0.2: U6.31 292.51,54.24 291.58,55.17 291.58,63.62 289.16,66.04 19.32,66.04 v1(19.14,66.22)
C1: length 403.3
  Top w0.2: SW78.2 45.43,20.17 57.24,31.98 SW66.2 47.71,48.75 SW54.2 42.95,63.03 v1(42.95,65.45) SW37.2 33.43,86.85 SW2.2 38.19,101.13 SW20.2
  Bottom w0.2: U6.30 292.44,53.74 291.18,55.01 291.18,63.45 288.99,65.64 43.14,65.64 v1(42.95,65.45)
C2: length 380.9
  Top w0.2: SW21.2 57.24,101.13 SW3.2 52.48,86.85 SW38.2 v1(62,65.13) 62,63.03 SW55.2 66.76,48.75 SW68.2 76.29,29.7 SW81.2
  Bottom w0.2: v1(62,65.13) 62.11,65.24 288.83,65.24 290.78,63.29 290.78,54.84 292.38,53.24 U6.29
C3: length 338.9
  Top w0.2: SW22.2 76.29,101.13 SW4.2 71.53,86.85 SW39.2 81.05,63.03 SW56.2 85.81,48.75 SW69.2
  Bottom w0.2: U6.28 292.31,52.74 290.38,54.67 290.38,63.12 288.66,64.84 81.15,64.84 v1(81.05,64.74)
C4: length 319.9
  Top w0.2: SW23.2 95.34,101.13 SW5.2 90.58,86.85 SW40.2 100.1,63.03 SW57.2 104.86,48.75 SW70.2
  Bottom w0.2: v1(100.1,64.34) 100.2,64.44 288.5,64.44 289.98,62.96 289.98,54.51 292.25,52.24 U6.27
C5: length 275.1
  Top w0.2: SW71.2 123.91,48.75 SW58.2 119.15,63.03 SW41.2 109.63,86.85 SW6.2
  Bottom w0.2: v1(119.15,63.94) 119.25,64.04 288.33,64.04 289.58,62.79 289.58,54.34 292.18,51.74 U6.26
C6: length 300.3
  Top w0.2: SW86.2 152.49,24.94 v1(152.49,28.64) SW72.2 142.96,48.75 SW59.2 138.2,63.03 SW42.2 128.68,86.85 SW7.2 119.15,105.9 SW25.2
  Bottom w0.2: U6.25 292.03,51.24 289.63,48.84 289.63,31.33 286.62,28.32 152.81,28.32 v1(152.49,28.64)
C7: length 283.4
  Top w0.2: SW26.2 138.2,105.9 SW8.2 147.73,86.85 SW43.2 157.25,63.03 SW60.2 162.01,48.75 SW73.2 171.54,28.16 171.66,28.04 v1(171.66,27.82)
  Bottom w0.2: U6.22 319.54,48.65 319.36,48.47 317.92,48.47 317.8,48.59 317.8,49.49 316.67,50.62 291.98,50.62 290.03,48.68 290.03,31.17 286.79,27.92 277.76,27.92 276.86,27.02 276.86,24.3 276,23.44 247.57,23.44 246.79,24.22 246.79,26.94 245.81,27.92 171.76,27.92 v1(171.66,27.82)
C8: length 265.3
  Top w0.2: v1(190.84,27.42) 190.84,27.98 190.59,28.23 SW74.2 181.06,48.75 SW61.2 176.3,63.03 SW44.2 166.78,86.85 SW9.2 157.25,105.9 SW27.2
  Bottom w0.2: U6.21 320.04,48.59 319.53,48.07 317.75,48.07 317.4,48.43 317.4,49.31 316.49,50.22 292.14,50.22 290.43,48.51 290.43,31 286.95,27.52 277.93,27.52 277.26,26.86 277.26,24.14 276.17,23.04 247.4,23.04 246.39,24.06 246.39,26.78 245.64,27.52 190.94,27.52 v1(190.84,27.42)
C9: length 248.8
  Top w0.2: SW28.2 176.3,105.9 SW10.2 185.83,86.85 SW45.2 195.35,63.03 SW62.2 200.11,48.75 SW75.2 209.64,27.24 v1(209.86,27.02)
  Bottom w0.2: v1(209.86,27.02) 209.96,27.12 245.48,27.12 245.99,26.61 245.99,23.89 247.24,22.64 276.33,22.64 277.66,23.97 277.66,26.69 278.09,27.12 279.86,27.12 ; 277.66,25.63 277.66,24.98 ; 279.86,27.12 279.15,27.12 ; 279.86,27.12 287.12,27.12 290.83,30.83 290.83,48.34 292.31,49.82 316.32,49.82 317,49.14 317,48.26 317.59,47.67 319.69,47.67 320.54,48.52 U6.20
C10: length 234.1
  Top w0.2: SW90.2 SW76.2 219.16,48.75 SW63.2 214.4,63.03 SW46.2 204.88,86.85 SW11.2 200.11,101.13 SW29.2
  Bottom w0.2: v1(228.69,26.62) 228.79,26.72 245.31,26.72 245.59,26.44 245.59,23.72 247.07,22.24 276.5,22.24 278.06,23.8 278.06,26.52 278.26,26.72 287.28,26.72 291.23,30.67 291.23,48.18 292.47,49.42 316.15,49.42 316.6,48.98 316.6,48.09 317.42,47.27 319.86,47.27 321.04,48.45 U6.19
C11: length 214.8
  Top w0.2: SW64.2 233.45,63.03 SW47.2 223.93,86.85 SW12.2 219.16,101.13 219.16,107.81 ; SW30.2 219.16,107.81 ; 219.16,107.81 219.27,107.92 v1(220.38,107.92) ; v1(311.2,107.39) 311.2,68.56 319.01,60.75 v1(319.01,59.14)
  Bottom w0.2: U6.38 319.04,59.11 v1(319.01,59.14) ; v1(311.2,107.39) 287.49,107.39 286.76,108.13 285.23,108.13 285.26,108.13 220.59,108.13 v1(220.38,107.92)
C12: length 174.9
  Top w0.2: v1(311.7,106.97) 311.6,106.87 311.6,68.73 319.61,60.72 v1(319.61,59.16) ; SW31.2 v1(238.21,107.56) 238.21,101.13 SW13.2 242.98,86.85 SW48.2
  Bottom w0.2: v1(238.21,107.56) 238.38,107.73 286.59,107.73 287.43,106.89 311.62,106.89 v1(311.7,106.97) ; v1(319.61,59.16) 319.54,59.09 U6.39
C13: length 219.7
  Top w0.2: v1(320.11,59.52) 320.11,60.78 312.1,68.79 v1(312.1,106.44) ; SW93.2 258.62,26.29 258.62,36.12 SW1000.1 255.52,39.22 SW79.2 256.64,40.98 256.64,58.31 265.77,67.44 265.77,93.27 SW1001.1 262.66,96.37 SW14.2 257.26,101.13 SW32.2
  Bottom w0.2: v1(312.1,106.44) 287.31,106.44 286.43,107.33 257.36,107.33 v1(257.26,107.23) ; v1(320.11,59.52) 320.11,58.96 320.04,58.89 U6.40
C14: length 179.5
  Top w0.2: SW33.2 281.08,104.67 284.29,101.46 284.29,97.11 283.55,96.37 SW15.2 281.08,86.48 276.31,81.72 SW50.2 276.31,65.34 SW67.2 269.24,51.05 SW80.2 281.08,24.93 SW94.2
  Bottom w0.2: U6.18 321.54,48.39 320.02,46.87 317.26,46.87 316.2,47.93 316.2,48.81 315.99,49.02 292.64,49.02 291.63,48.01 291.63,30.5 287.45,26.32 281.18,26.32 v1(281.08,26.22)
C15: length 159
  Top w0.2: v1(312.6,105.9) 312.5,105.8 312.5,68.96 320.27,61.19 v1(320.41,61.19) ; SW95.2 SW51.2 SW16.2 SW34.2
  Bottom w0.2: U6.41 320.54,59.24 320.61,59.31 320.61,60.99 v1(320.41,61.19) ; v1(304.89,105.94) 304.93,105.9 v1(312.6,105.9)
C16: length 101.5
  Top w0.2: SW96.2 SW82.2 v1(323.94,56.2) SW52.2 SW17.2 SW35.2
  Bottom w0.2: U6.2 323.98,56.24 v1(323.94,56.2)
C17: length 149.3
  Top w0.2: v1(327.66,77.49) 327.68,77.47 327.68,56.66 v1(326.87,55.85) ; SW97.2 342.99,54.48 344.54,56.03 348.94,56.03 349.13,56.22 349.13,58.62 348.73,59.02 343.92,59.02 342.99,59.95 SW53.2 SW18.2 SW36.2
  Bottom w0.2: v1(326.87,55.85) 326.76,55.74 U6.3 ; SW53.2 327.83,77.32 v1(327.66,77.49)
CLK: length 49
  Top w0.2: v1(318.54,57.14) 317.54,56.14 317.64,56.24 318.25,56.24 318.9,55.58 v1(318.9,45.87)
  Bottom w0.2: v1(318.9,45.87) 320.15,45.87 322.05,47.77 345.76,47.77 346.67,48.68 348.43,48.68 348.45,48.66 348.87,49.08 348.87,51.56 348.65,51.78 J2.5 ; U6.37 v1(318.54,57.14)
D+: length 176.2
  Top w0.2: v1(288.32,108.77) 288.32,108.63 289.25,107.69 289.25,59.07 292.59,55.74 v1(292.73,55.74)
  Bottom w0.2: U6.33 316.02,55.24 316,55.22 293.11,55.22 292.73,55.6 v1(292.73,55.74) ; U1.6 197.63,103.67 197.39,103.91 197.39,105.85 197.71,106.17 200.03,106.17 201.01,105.19 202.19,105.19 206.38,109.38 287.57,109.38 288.18,108.77 v1(288.32,108.77)
D-: length 171.8
  Top w0.2: v1(292.27,55.28) 292.27,55.42 288.81,58.89 288.81,107.51 288,108.31 v1(287.86,108.31)
  Bottom w0.2: U6.32 316.02,54.74 316,54.77 292.93,54.77 292.41,55.28 v1(292.27,55.28) ; v1(287.86,108.31) 287.86,108.45 287.39,108.93 206.56,108.93 202.43,104.79 200.84,104.79 200.06,105.57 U1.4
DIO: length 42.2
  Top w0.2: v1(318.04,55.74) 318.39,55.39 v1(318.39,46.37)
  Bottom w0.2: v1(318.39,46.37) 320.09,46.37 321.89,48.17 345.55,48.17 345.99,48.61 345.99,49.45 346.32,49.78 348.22,49.78 ; U6.34 v1(318.04,55.74)
RGB: length 9.1
  Top w0.2: v1(327.44,55.45) 328.08,56.09 328.08,57.73 328.31,57.96 D83.3
  Bottom w0.2: U6.4 327.23,55.24 v1(327.44,55.45)
RST: length 68.8
  Bottom w0.2: SWbôtrst1.2 334.91,26.06 336.66,26.06 ; 336.66,26.06 336.66,28.22 337.16,28.72 347.81,28.72 349.27,30.18 349.27,48.73 ; 336.66,26.06 C10.1 ; 349.27,48.73 349.27,48.2 348.85,47.78 J2.3 ; 349.27,48.73 349.27,53.05 348.58,53.74 U6.7
Net-(D1-A): length 4.1
  Bottom w0.2: SW1.1 8.6,93.26 D1.2
Net-(D1-K): length 328.6
  Bottom w0.2: D1.1 D18.1
Net-(D2-A): length 4.1
  Bottom w0.2: D2.2 27.65,93.26 SW2.1
Net-(D3-A): length 4.1
  Bottom w0.2: SW3.1 46.7,93.26 D3.2
Net-(D4-A): length 4.1
  Bottom w0.2: D4.2 65.75,93.26 SW4.1
Net-(D5-A): length 4.1
  Bottom w0.2: D5.2 84.8,93.26 SW5.1
Net-(D6-A): length 4.1
  Bottom w0.2: D6.2 103.85,93.26 SW6.1
Net-(D7-A): length 4.1
  Bottom w0.2: D7.2 122.9,93.26 SW7.1
Net-(D8-A): length 4.1
  Bottom w0.2: SW8.1 141.95,93.26 D8.2
Net-(D9-A): length 4.1
  Bottom w0.2: SW9.1 161,93.26 D9.2
Net-(D10-A): length 4.1
  Bottom w0.2: SW10.1 180.05,93.26 D10.2
Net-(D11-A): length 4.1
  Bottom w0.2: D11.2 199.1,93.26 SW11.1
Net-(D12-A): length 4.1
  Bottom w0.2: D12.2 218.15,93.26 SW12.1
Net-(D13-A): length 4.1
  Bottom w0.2: D13.2 237.2,93.26 SW13.1
Net-(D14-A): length 22.7
  Bottom w0.2: SW1001.2 269.5,98.42 260.27,98.42 SW14.1 256.25,93.26 D14.2
Net-(D15-A): length 4.1
  Bottom w0.2: D15.2 275.3,93.26 SW15.1
Net-(D16-A): length 4.1
  Bottom w0.2: SW16.1 299.11,93.26 D16.2
Net-(D17-A): length 4.1
  Bottom w0.2: D17.2 318.16,93.26 SW17.1
Net-(D18-A): length 4.1
  Bottom w0.2: D18.2 337.21,93.26 SW18.1
Net-(D19-A): length 4.1
  Bottom w0.2: SW19.1 8.6,117.07 D19.2
Net-(D19-K): length 328.6
  Bottom w0.2: D36.1 D19.1
Net-(D20-A): length 4.1
  Bottom w0.2: D20.2 32.41,117.07 SW20.1
Net-(D21-A): length 4.1
  Bottom w0.2: SW21.1 51.46,117.07 D21.2
Net-(D22-A): length 4.1
  Bottom w0.2: D22.2 70.51,117.07 SW22.1
Net-(D23-A): length 4.1
  Bottom w0.2: SW23.1 89.56,117.07 D23.2
Net-(D24-A): length 4.1
  Bottom w0.2: SW24.1 13.36,74.21 D24.2
Net-(D24-K): length 323.8
  Bottom w0.2: D53.1 D24.1
Net-(D25-A): length 4.1
  Bottom w0.2: SW25.1 113.38,117.07 D25.2
Net-(D26-A): length 4.1
  Bottom w0.2: SW26.1 132.43,117.07 D26.2
Net-(D27-A): length 4.1
  Bottom w0.2: D27.2 151.48,117.07 SW27.1
Net-(D28-A): length 4.1
  Bottom w0.2: D28.2 170.53,117.07 SW28.1
Net-(D29-A): length 4.1
  Bottom w0.2: D29.2 194.34,117.07 SW29.1
Net-(D30-A): length 4.1
  Bottom w0.2: D30.2 213.39,117.07 SW30.1
Net-(D31-A): length 4.1
  Bottom w0.2: SW31.1 232.44,117.07 D31.2
Net-(D32-A): length 4.1
  Bottom w0.2: D32.2 251.49,117.07 SW32.1
Net-(D33-A): length 4.1
  Bottom w0.2: D33.2 275.3,117.07 SW33.1
Net-(D34-A): length 4.1
  Bottom w0.2: SW34.1 299.11,117.07 D34.2
Net-(D35-A): length 4.1
  Bottom w0.2: SW35.1 318.16,117.07 D35.2
Net-(D36-A): length 4.1
  Bottom w0.2: D36.2 337.21,117.07 SW36.1
Net-(D37-A): length 4.1
  Bottom w0.2: SW37.1 37.18,74.21 D37.2
Net-(D38-A): length 4.1
  Bottom w0.2: D38.2 56.23,74.21 SW38.1
Net-(D39-A): length 4.1
  Bottom w0.2: D39.2 75.28,74.21 SW39.1
Net-(D40-A): length 4.1
  Bottom w0.2: D40.2 94.33,74.21 SW40.1
Net-(D41-A): length 4.1
  Bottom w0.2: D41.2 113.38,74.21 SW41.1
Net-(D42-A): length 4.1
  Bottom w0.2: SW42.1 132.43,74.21 D42.2
Net-(D43-A): length 4.1
  Bottom w0.2: D43.2 151.48,74.21 SW43.1
Net-(D44-A): length 4.1
  Bottom w0.2: D44.2 170.53,74.21 SW44.1
Net-(D45-A): length 4.1
  Bottom w0.2: D45.2 189.58,74.21 SW45.1
Net-(D46-A): length 4.1
  Bottom w0.2: SW46.1 208.63,74.21 D46.2
Net-(D47-A): length 4.1
  Bottom w0.2: D47.2 227.68,74.21 SW47.1
Net-(D48-A): length 4.1
  Bottom w0.2: D48.2 246.73,74.21 SW48.1
Net-(D49-A): length 16.5
  Bottom w0.2: SW1002.2 16.76,57.32 SW49.1 13.12,57.78 9.56,57.78 7.29,55.51 D49.2
Net-(D49-K): length 256.2
  Bottom w0.2: D49.1 D67.1
Net-(D50-A): length 4.1
  Bottom w0.2: SW50.1 270.54,74.21 D50.2
Net-(D51-A): length 4.1
  Bottom w0.2: SW51.1 299.11,74.21 D51.2
Net-(D52-A): length 4.1
  Bottom w0.2: SW52.1 318.16,74.21 D52.2
Net-(D53-A): length 4.1
  Bottom w0.2: SW53.1 337.21,74.21 D53.2
Net-(D54-A): length 4.1
  Bottom w0.2: SW54.1 41.94,55.16 D54.2
Net-(D55-A): length 4.1
  Bottom w0.2: D55.2 60.99,55.16 SW55.1
Net-(D56-A): length 4.1
  Bottom w0.2: SW56.1 80.04,55.16 D56.2
Net-(D57-A): length 4.1
  Bottom w0.2: D57.2 99.09,55.16 SW57.1
Net-(D58-A): length 4.1
  Bottom w0.2: D58.2 118.14,55.16 SW58.1
Net-(D59-A): length 4.1
  Bottom w0.2: SW59.1 137.19,55.16 D59.2
Net-(D60-A): length 4.1
  Bottom w0.2: SW60.1 156.24,55.16 D60.2
Net-(D61-A): length 4.1
  Bottom w0.2: SW61.1 175.29,55.16 D61.2
Net-(D62-A): length 4.1
  Bottom w0.2: SW62.1 194.34,55.16 D62.2
Net-(D63-A): length 4.1
  Bottom w0.2: D63.2 213.39,55.16 SW63.1
Net-(D64-A): length 4.1
  Bottom w0.2: D64.2 232.44,55.16 SW64.1
Net-(D65-A): length 4.1
  Bottom w0.2: SW65.1 20.58,36.11 D65.2
Net-(D65-K): length 297.7
  Top w0.2: v1(291.37,29.4) 291.32,29.35 286.69,29.35 v1(286.62,29.42)
  Bottom w0.2: D65.1 D80.1 286.56,29.36 v1(286.62,29.42) ; v1(291.37,29.4) 291.41,29.36 D82.1
Net-(D66-A): length 4.1
  Bottom w0.2: SW66.1 51.46,36.11 D66.2
Net-(D67-A): length 4.1
  Bottom w0.2: SW67.1 263.47,55.16 D67.2
Net-(D68-A): length 4.1
  Bottom w0.2: SW68.1 70.51,36.11 D68.2
Net-(D69-A): length 4.1
  Bottom w0.2: D69.2 89.56,36.11 SW69.1
Net-(D70-A): length 4.1
  Bottom w0.2: SW70.1 108.61,36.11 D70.2
Net-(D71-A): length 4.1
  Bottom w0.2: SW71.1 127.66,36.11 D71.2
Net-(D72-A): length 4.1
  Bottom w0.2: SW72.1 146.71,36.11 D72.2
Net-(D73-A): length 4.1
  Bottom w0.2: SW73.1 165.76,36.11 D73.2
Net-(D74-A): length 4.1
  Bottom w0.2: SW74.1 184.81,36.11 D74.2
Net-(D75-A): length 4.1
  Bottom w0.2: D75.2 203.86,36.11 SW75.1
Net-(D76-A): length 4.1
  Bottom w0.2: D76.2 222.91,36.11 SW76.1
Net-(D77-A): length 4.1
  Bottom w0.2: D77.2 13.36,17.06 SW77.1
Net-(D77-K): length 323.8
  Bottom w0.2: D77.1 D94.1 D97.1
Net-(D78-A): length 4.1
  Bottom w0.2: D78.2 37.18,17.06 SW78.1
Net-(D79-A): length 22.7
  Bottom w0.2: SW1000.2 262.36,41.27 253.12,41.27 SW79.1 249.11,36.11 D79.2
Net-(D80-A): length 4.1
  Bottom w0.2: D80.2 275.3,36.11 SW80.1
Net-(D81-A): length 4.1
  Bottom w0.2: SW81.1 60.99,17.06 D81.2
Net-(D82-A): length 4.1
  Bottom w0.2: SW82.1 318.16,36.11 D82.2
Net-(D83-DOUT): length 2.2
  Top w0.2: 334.33,56.86 334.76,56.86 335.88,57.97 336.03,57.97
Net-(D84-DOUT): length 2.2
  Top w0.2: D85.3 339.52,57.97 338.42,56.87 D84.1
Net-(D85-DOUT): length 2.2
  Top w0.2: D85.1 341.95,56.87 343.06,57.97 D87.3
Net-(D86-A): length 6.1
  Bottom w0.2: D86.2 137.24,14.46 140.42,17.64 SW86.1
Net-(D87-DOUT): length 2.2
  Top w0.2: D87.1 345.49,56.87 346.6,57.97 D88.3
Net-(D90-A): length 4.1
  Bottom w0.2: D90.2 222.91,17.06 SW90.1
Net-(D93-A): length 4.1
  Bottom w0.2: D93.2 246.73,17.06 SW93.1
Net-(D94-A): length 4.1
  Bottom w0.2: SW94.1 270.54,17.06 D94.2
Net-(D95-A): length 4.1
  Bottom w0.2: D95.2 299.11,17.06 SW95.1
Net-(D96-A): length 4.1
  Bottom w0.2: D96.2 318.16,17.06 SW96.1
Net-(D97-A): length 4.1
  Bottom w0.2: SW97.1 337.21,17.06 D97.2
Net-(J1-Pin_2): length 13.2
  Bottom w0.2: U1.3 195.08,105.57 194.76,105.25 194.76,104.32 194.51,104.07 186.31,104.07 185.28,103.04 J1.2
Net-(J1-Pin_3): length 11.1
  Bottom w0.2: U1.1 186.63,103.67 186.28,103.32 J1.3

## Copper pours and planes (outline as drawn; the poured copper is in the pictures)
GND on Top, Bottom: 425.39,139.06 -6.41,139.06 -6.41,-13.34 425.39,-13.34

Small or netless copper shapes (teardrops, artwork), in the pictures only: 229 on Top, 334 on Bottom
